# KiCad board output.Panel_R0.5.1_300x300_2layer_step1_Modified.kicad_pcb (continued)
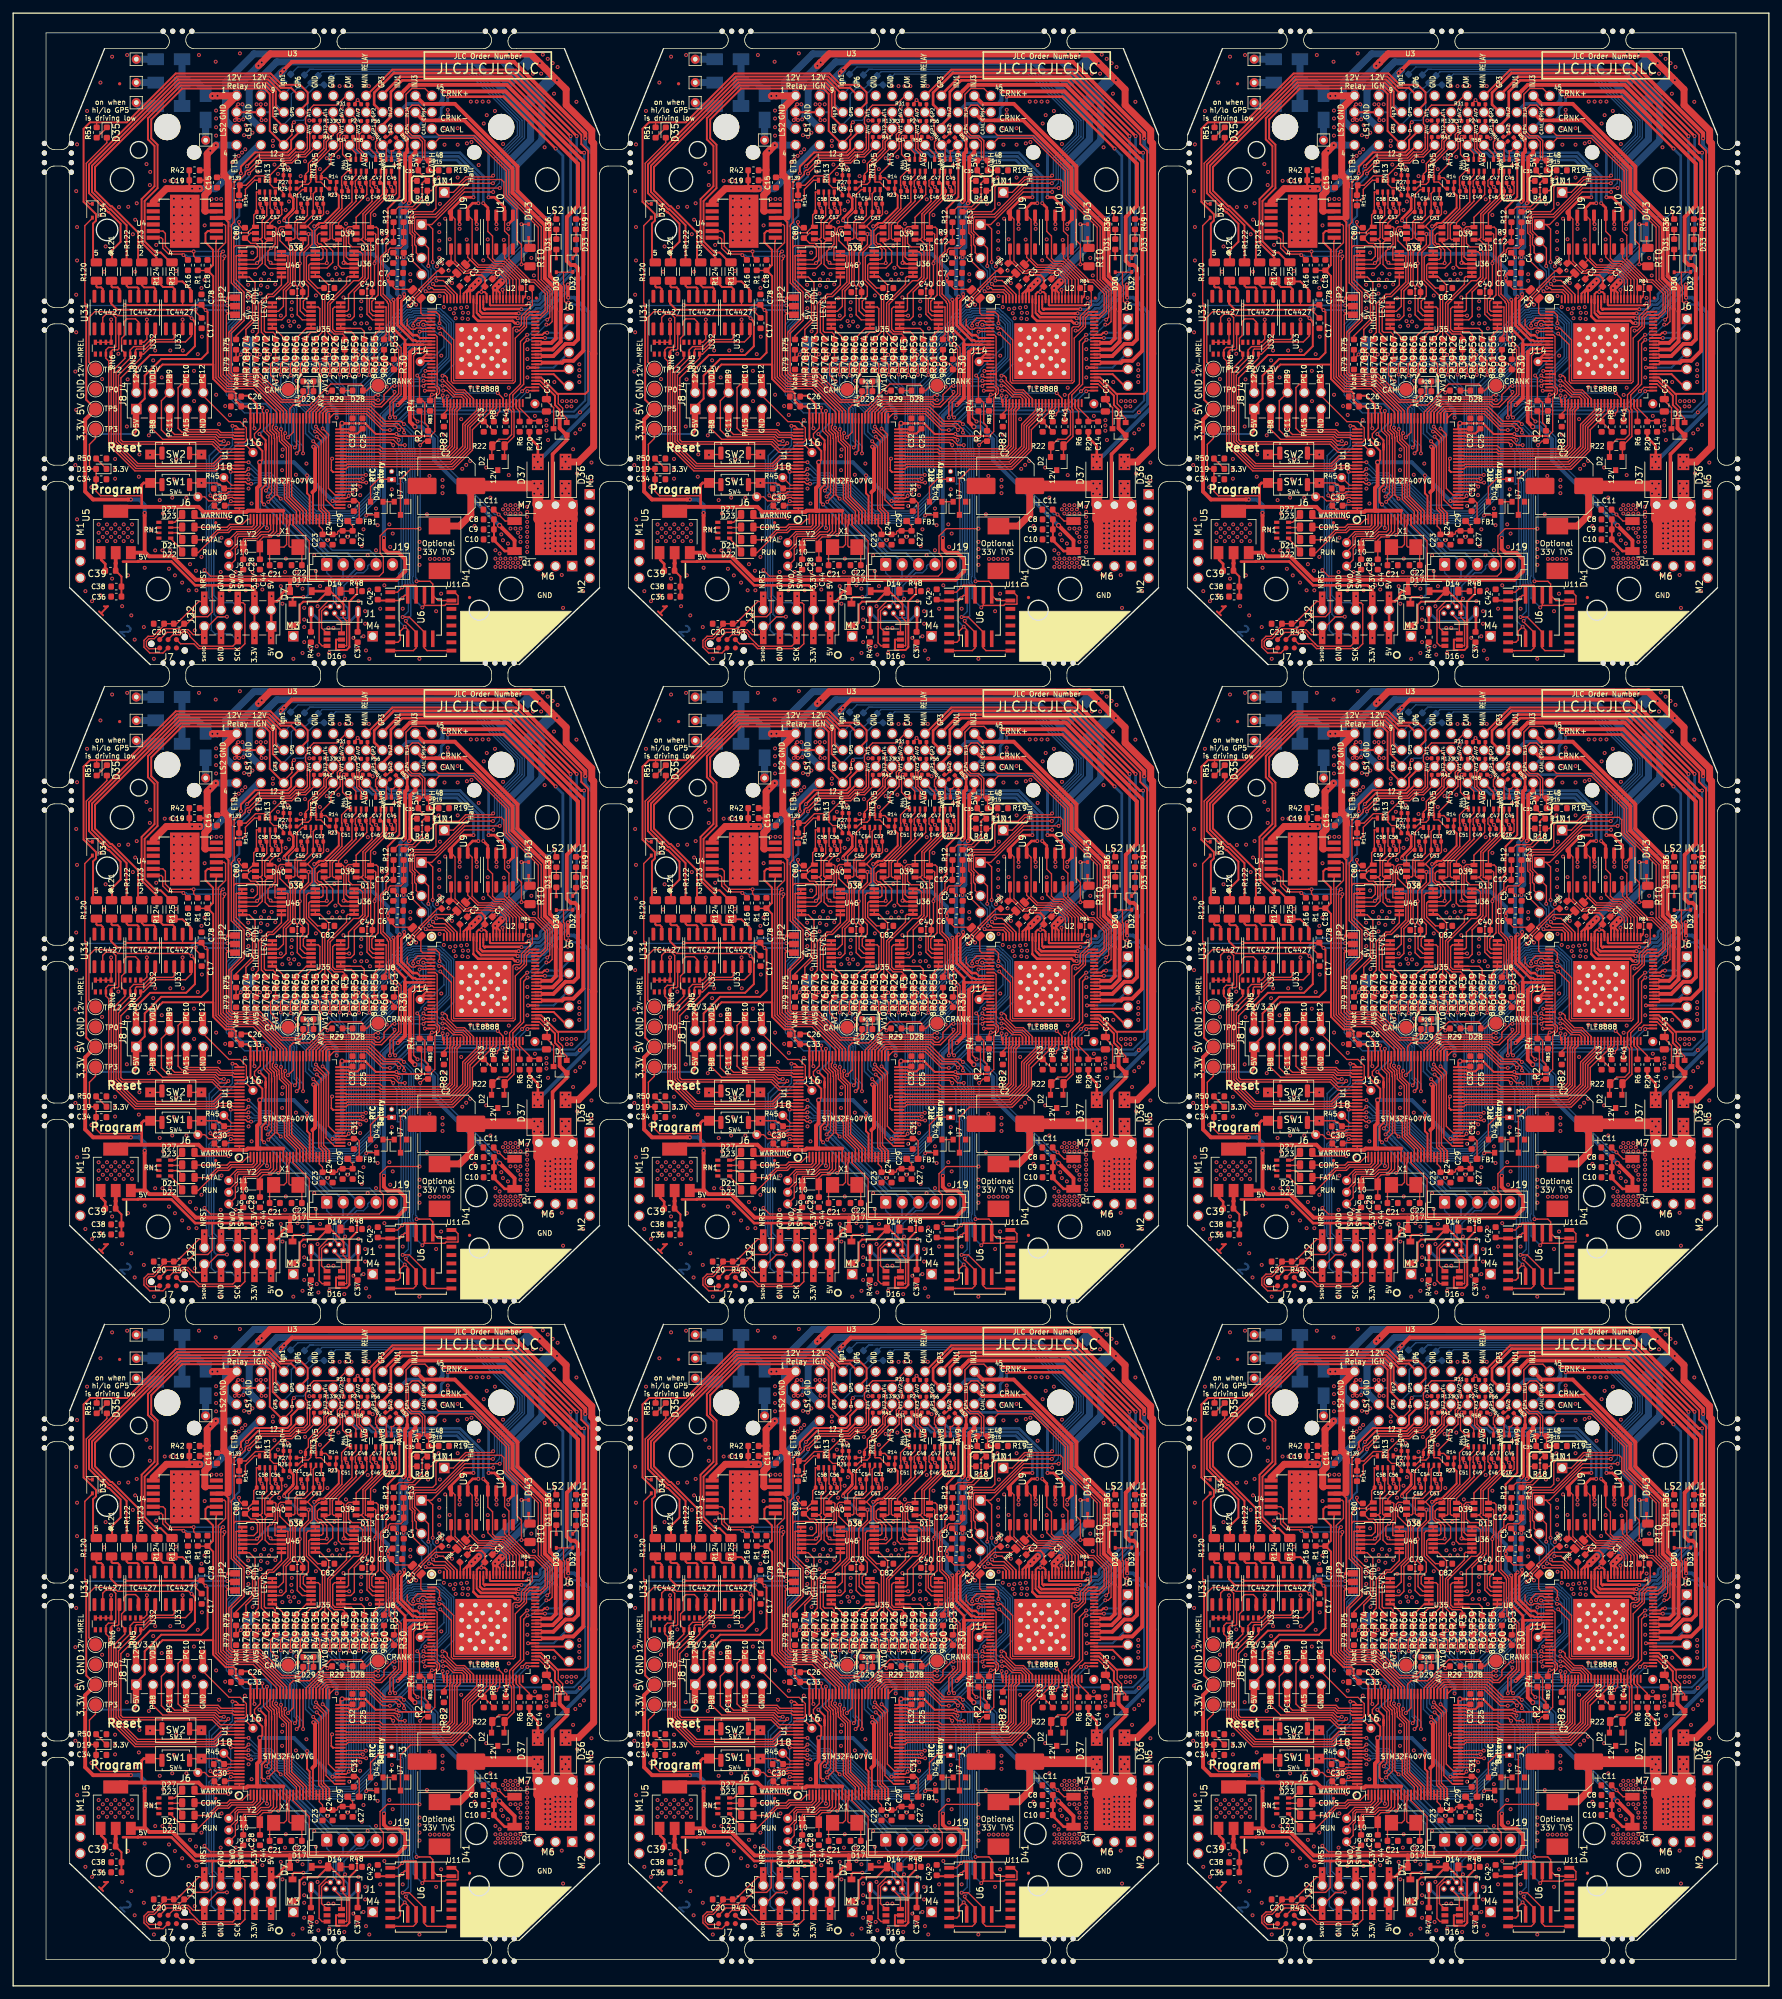
[diagram p0: board, top side]
## Routing (per net, layer and track width the routed paths; a pad name or vN(x,y) marks a point on that pad's centre or on a via; arc(x,y) is an arc through that point) (continued)
GND: length 977.9
  Top w0.203: C30#2.1 117.61,225.1 117.72,225.22 U1#2.99 ; RN6#2.4 RN6#2.3 RN6#2.2 RN6#2.1 99.9,249.95 U31#2.3 v1(99.9,253.4) ; U46#2.11 124.38,261.82 v1(124.15,262.05) ; U33#2.3 v1(110.77,253.4) ; v1(147.61,242.58) 147.63,242.6 U2#2.25 ; v1(105.82,232.82) 105.87,232.88 107.63,232.88 ; v1(132.8,242.3) 133.1,242.6 R29#2.2 ; C45#2.2 142.7,273.33 v1(142.47,273.57) 142.11,273.92 C16#2.2 ; C80#2.2 119.77,267.37 119.35,267.78 v1(119.35,268.23) ; R37#2.2 135.25,283.92 135.23,283.94 135.23,284.13 v1(135,284.36) ; R131#2.2 v1(130.05,283.68) ; v1(150.32,241.87) 150.32,240.88 U2#2.26 ; 144.93,253.47 144.93,252.57 145.57,251.93 146.11,251.93 146.3,252.12 147.02,252.12 147.09,252.06 147.93,252.06 147.97,252.1 U2#2.6 ; RN6#3.4 RN6#3.3 RN6#3.2 RN6#3.1 184.9,249.95 U31#3.3 v1(184.9,253.4) ; U46#3.11 209.38,261.82 v1(209.15,262.05) ; C30#3.1 202.61,225.1 202.72,225.22 U1#3.99 ; 192.63,232.88 190.87,232.88 v1(190.82,232.82) ; C45#3.2 227.7,273.33 v1(227.47,273.57) 227.11,273.92 C16#3.2 ; C80#3.2 204.77,267.37 204.35,267.78 v1(204.35,268.23) ; v1(232.61,242.58) 232.63,242.6 U2#3.25 ; R29#3.2 218.1,242.6 v1(217.8,242.3) ; U33#3.3 v1(195.77,253.4) ; R131#3.2 v1(215.05,283.68) ; R37#3.2 220.25,283.92 220.23,283.94 220.23,284.13 v1(220,284.36) ; v1(235.32,241.87) 235.32,240.88 U2#3.26 ; U2#3.6 232.98,252.1 232.93,252.06 232.09,252.06 232.02,252.12 231.3,252.12 231.11,251.93 230.57,251.93 229.93,252.57 229.93,253.47 ; R37#5.2 220.25,186.92 220.23,186.94 220.23,187.13 v1(220,187.36) ; R131#5.2 v1(215.05,186.68) ; C16#5.2 227.11,176.92 v1(227.47,176.57) 227.7,176.34 C45#5.2 ; v1(235.32,144.87) 235.32,143.88 U2#5.26 ; v1(204.35,171.23) 204.35,170.78 204.77,170.37 C80#5.2 ; RN6#4.4 RN6#4.3 RN6#4.2 RN6#4.1 184.9,152.95 U31#5.3 v1(184.9,156.4) ; U46#5.11 209.38,164.82 v1(209.15,165.05) ; 192.63,135.88 190.87,135.88 v1(190.82,135.82) ; C30#5.1 202.61,128.1 202.72,128.22 U1#5.99 ; R29#5.2 218.1,145.6 v1(217.8,145.3) ; U2#5.25 232.63,145.6 v1(232.61,145.58) ; U33#4.3 v1(195.77,156.4) ; C30#6.1 32.61,128.1 32.72,128.22 U1#4.99 ; RN6#6.4 RN6#6.3 RN6#6.2 RN6#6.1 14.9,152.95 U31#4.3 v1(14.9,156.4) ; U46#6.11 39.38,164.82 v1(39.15,165.05) ; U33#6.3 v1(25.77,156.4) ; v1(62.61,145.58) 62.63,145.6 U2#4.25 ; v1(20.82,135.82) 20.87,135.88 22.63,135.88 ; v1(47.8,145.3) 48.1,145.6 R29#4.2 ; C45#4.2 57.7,176.34 v1(57.47,176.57) 57.11,176.92 C16#4.2 ; C80#6.2 34.77,170.37 34.36,170.78 v1(34.36,171.23) ; R37#4.2 50.25,186.92 50.23,186.94 50.23,187.13 v1(50,187.36) ; R131#4.2 v1(45.05,186.68) ; v1(65.32,144.87) 65.32,143.88 U2#4.26 ; 59.93,156.47 59.93,155.57 60.57,154.93 61.11,154.93 61.3,155.12 62.02,155.12 62.09,155.06 62.93,155.06 62.97,155.1 U2#4.6 ; RN6#5.4 RN6#5.3 RN6#5.2 RN6#5.1 99.9,152.95 U31#6.3 v1(99.9,156.4) ; U46#4.11 124.38,164.82 v1(124.15,165.05) ; C30#4.1 117.61,128.1 117.72,128.22 U1#6.99 ; 107.63,135.88 105.87,135.88 v1(105.82,135.82) ; C45#6.2 142.7,176.34 v1(142.47,176.57) 142.11,176.92 C16#6.2 ; C80#4.2 119.77,170.37 119.35,170.78 v1(119.35,171.23) ; v1(147.61,145.58) 147.63,145.6 U2#6.25 ; R29#6.2 133.1,145.6 v1(132.8,145.3) ; U33#5.3 v1(110.77,156.4) ; R131#6.2 v1(130.05,186.68) ; R37#6.2 135.25,186.92 135.23,186.94 135.23,187.13 v1(135,187.36) ; v1(150.32,144.87) 150.32,143.88 U2#6.26 ; U2#6.6 147.97,155.1 147.93,155.06 147.09,155.06 147.02,155.12 146.3,155.12 146.11,154.93 145.57,154.93 144.93,155.57 144.93,156.47 ; U2#5.6 232.98,155.1 232.93,155.06 232.09,155.06 232.02,155.12 231.3,155.12 231.11,154.93 230.57,154.93 229.93,155.57 229.93,156.47 ; C16#7.2 227.11,79.92 v1(227.47,79.57) 227.7,79.34 C45#8.2 ; v1(220,90.36) 220.23,90.13 220.23,89.94 220.25,89.92 R37#8.2 ; v1(235.32,47.87) 235.32,46.88 U2#8.26 ; R131#8.2 v1(215.05,89.68) ; v1(204.35,74.23) 204.35,73.78 204.77,73.37 C80#7.2 ; RN6#8.4 RN6#8.3 RN6#8.2 RN6#8.1 14.9,55.95 U31#9.3 v1(14.9,59.4) ; C30#8.1 32.61,31.1 32.72,31.22 U1#7.99 ; v1(47.8,48.3) 48.1,48.6 R29#7.2 ; C45#7.2 57.7,79.34 v1(57.47,79.57) 57.11,79.92 C16#8.2 ; v1(62.61,48.58) 62.63,48.6 U2#7.25 ; v1(39.15,68.05) 39.38,67.82 U46#9.11 ; C80#8.2 34.77,73.37 34.36,73.78 v1(34.36,74.23) ; U33#9.3 v1(25.77,59.4) ; v1(20.82,38.82) 20.87,38.88 22.63,38.88 ; R131#7.2 v1(45.05,89.68) ; R37#7.2 50.25,89.92 50.23,89.94 50.23,90.13 v1(50,90.36) ; U2#7.26 65.32,46.88 v1(65.32,47.87) ; U2#7.6 62.97,58.1 62.93,58.06 62.09,58.06 62.02,58.12 61.3,58.12 61.11,57.93 60.57,57.93 59.93,58.57 59.93,59.47 ; RN6#9.4 RN6#9.3 RN6#9.2 RN6#9.1 99.9,55.95 U31#8.3 v1(99.9,59.4) ; U46#8.11 124.38,67.82 v1(124.15,68.05) ; 107.63,38.88 105.87,38.88 v1(105.82,38.82) ; v1(147.61,48.58) 147.63,48.6 U2#9.25 ; C30#9.1 117.61,31.1 117.72,31.22 U1#9.99 ; C45#9.2 142.7,79.34 v1(142.47,79.57) 142.11,79.92 C16#9.2 ; C80#9.2 119.77,73.37 119.35,73.78 v1(119.35,74.23) ; U33#8.3 v1(110.77,59.4) ; R29#9.2 133.1,48.6 v1(132.8,48.3) ; R131#9.2 v1(130.05,89.68) ; v1(150.32,47.87) 150.32,46.88 U2#9.26 ; U2#9.6 147.97,58.1 147.93,58.06 147.09,58.06 147.02,58.12 146.3,58.12 146.11,57.93 145.57,57.93 144.93,58.57 144.93,59.47 ; R37#9.2 135.25,89.92 135.23,89.94 135.23,90.13 v1(135,90.36) ; U2#8.6 232.98,58.1 232.93,58.06 232.09,58.06 232.02,58.12 231.3,58.12 231.11,57.93 230.57,57.93 229.93,58.57 229.93,59.47 ; U46#7.11 209.38,67.82 v1(209.15,68.05) ; RN6#7.4 RN6#7.3 RN6#7.2 RN6#7.1 184.9,55.95 U31#7.3 v1(184.9,59.4) ; R29#8.2 218.1,48.6 v1(217.8,48.3) ; 192.63,38.88 190.87,38.88 v1(190.82,38.82) ; C30#7.1 202.61,31.1 202.72,31.22 U1#8.99 ; v1(232.61,48.58) 232.63,48.6 U2#8.25 ; U33#7.3 v1(195.77,59.4) ; C30.1 32.61,225.1 32.72,225.22 U1.99 ; v1(47.8,242.3) 48.1,242.6 R29.2 ; U2.6 62.97,252.1 62.93,252.06 62.09,252.06 62.02,252.12 61.3,252.12 61.11,251.93 60.57,251.93 59.93,252.57 59.93,253.47 ; v1(14.9,253.4) U31.3 14.9,249.95 RN6.1 RN6.2 RN6.3 RN6.4 ; v1(39.15,262.05) 39.38,261.82 U46.11 ; C80.2 34.77,267.37 34.36,267.78 v1(34.36,268.23) ; R131.2 v1(45.05,283.68) ; U2.26 65.32,240.88 v1(65.32,241.87) ; C45.2 57.7,273.33 v1(57.47,273.57) 57.11,273.92 C16.2 ; 22.63,232.88 20.87,232.88 v1(20.82,232.82) ; R37.2 50.25,283.92 50.23,283.94 50.23,284.13 v1(50,284.36) ; U33.3 v1(25.77,253.4) ; U2.25 62.63,242.6 v1(62.61,242.58)
  Top w0.216: v1(121.7,236.86) 121.59,236.98 U1#2.74 ; 124.47,254.06 124.31,253.9 ; 152.95,248.6 U2#2.101 ; U8#2.11 135.95,254.01 136.04,254.1 ; D40#2.2 124.43,266.56 124.84,266.14 124.84,264.89 v1(124.25,264.3) 123.75,263.8 123.75,262.45 v1(124.15,262.05) ; D13#2.2 136.41,266.5 136.21,266.7 v1(136.21,266.95) ; v1(133.51,232.25) 133.39,232.13 NT2#2.1 ; v1(135.24,262.02) 135.39,261.88 U36#2.11 135.8,261.88 135.28,262.41 135.28,266 134.82,266.45 134.8,266.45 ; RN5#2.1 104.87,249.95 105.33,250.42 U32#2.3 v1(105.33,253.4) ; 125.83,266.96 126.21,266.58 D38#2.2 ; C55#2.2 129.11,270.16 v1(128.88,270.39) 128.78,270.5 C54#2.2 ; 125.3,269.76 125.3,270.03 v1(124.94,270.39) 124.84,270.5 C56#2.2 ; C53#2.2 131.65,270.19 v1(131.45,270.39) 131.19,270.65 C52#2.2 ; R56#2.2 137.92,286.24 v1(137.39,286.77) 136.99,286.37 R31#2.2 ; C49#2.2 138.13,273.33 v1(137.9,273.57) 137.67,273.8 C48#2.2 ; R54#2.2 141.92,281.2 R52#2.2 142.51,282.88 v1(142.42,282.96) ; 135.63,281.19 135.3,281.19 v1(135.29,281.2) ; v1(139.68,280.93) 139.42,281.19 R58#2.2 ; 135.51,274.2 135.51,273.8 v1(135.74,273.57) 135.97,273.33 135.97,272.93 ; C59#2.2 123.01,270.16 v1(122.78,270.39) 122.55,270.62 C58#2.2 ; C46#2.2 139.82,273.92 v1(140.18,273.57) 140.54,273.21 140.54,272.93 ; U2#2.19 147.69,245.6 v1(147.69,245.59) ; U1#2.10 125.59,220.87 125.56,220.87 v1(125.32,220.63) ; R41#2.2 132.02,281.16 v1(132.3,281.44) ; 164.23,254.6 U2#2.75 163.5,254.6 162.71,253.8 162.71,252.44 161.99,251.72 v1(161.57,251.72) ; v1(218.51,232.25) 218.39,232.13 NT2#3.1 ; U8#3.11 220.95,254.01 221.04,254.1 ; v1(206.7,236.86) 206.59,236.98 U1#3.74 ; v1(220.24,262.02) 220.39,261.88 U36#3.11 220.8,261.88 220.28,262.41 220.28,266 219.82,266.45 219.8,266.45 ; D40#3.2 209.43,266.56 209.84,266.14 209.84,264.89 v1(209.25,264.3) 208.75,263.8 208.75,262.45 v1(209.15,262.05) ; D13#3.2 221.41,266.5 221.21,266.7 v1(221.21,266.95) ; 209.47,254.06 209.31,253.9 ; 237.95,248.6 U2#3.101 ; C55#3.2 214.11,270.16 v1(213.88,270.39) 213.78,270.5 C54#3.2 ; 210.3,269.76 210.3,270.03 v1(209.94,270.39) 209.84,270.5 C56#3.2 ; C53#3.2 216.65,270.19 v1(216.45,270.39) 216.19,270.65 C52#3.2 ; RN5#3.1 189.87,249.95 190.33,250.42 U32#3.3 v1(190.33,253.4) ; 210.83,266.96 211.21,266.58 D38#3.2 ; 220.51,274.2 220.51,273.8 v1(220.74,273.57) 220.97,273.33 220.97,272.93 ; 220.63,281.19 220.3,281.19 v1(220.29,281.2) ; C47#3.2 225.54,273.21 v1(225.18,273.57) 224.82,273.92 C46#3.2 ; U2#3.19 232.69,245.6 v1(232.69,245.59) ; C49#3.2 223.13,273.33 v1(222.9,273.57) 222.67,273.8 C48#3.2 ; R58#3.2 224.42,281.19 v1(224.68,280.93) ; v1(227.42,282.96) 227.51,282.88 R52#3.2 226.92,281.2 R54#3.2 ; U1#3.10 210.59,220.87 210.56,220.87 v1(210.32,220.63) ; R31#3.2 221.99,286.37 v1(222.39,286.77) 222.92,286.24 R56#3.2 ; C59#3.2 208.01,270.16 v1(207.78,270.39) 207.55,270.62 C58#3.2 ; v1(246.57,251.72) 246.99,251.72 247.71,252.44 247.71,253.8 248.5,254.6 U2#3.75 249.23,254.6 ; v1(217.3,281.44) 217.02,281.16 R41#3.2 ; C58#5.2 207.55,173.62 v1(207.78,173.39) 208.01,173.16 C59#5.2 ; 249.23,157.6 U2#5.75 248.5,157.6 247.71,156.8 247.71,155.44 246.99,154.72 v1(246.57,154.72) ; 220.97,175.93 220.97,176.34 v1(220.74,176.57) 220.51,176.8 220.51,177.2 ; C56#5.2 209.84,173.5 v1(209.94,173.39) 210.3,173.03 210.3,172.76 ; R31#5.2 221.99,189.37 v1(222.39,189.77) 222.92,189.24 R56#5.2 ; C48#5.2 222.67,176.8 v1(222.9,176.57) 223.13,176.34 C49#5.2 ; C47#5.2 225.54,176.21 v1(225.18,176.57) 224.82,176.92 C46#5.2 ; v1(227.42,185.96) 227.51,185.88 R52#5.2 226.92,184.2 R54#5.2 ; U1#5.10 210.59,123.87 210.56,123.87 v1(210.32,123.63) ; U2#5.19 232.69,148.6 v1(232.69,148.59) ; v1(224.68,183.93) 224.42,184.19 R58#5.2 ; v1(220.29,184.2) 220.3,184.19 220.63,184.19 ; v1(218.51,135.25) 218.39,135.13 NT2#5.1 ; U8#4.11 220.95,157.01 221.04,157.1 ; v1(206.7,139.86) 206.59,139.98 U1#5.74 ; v1(220.24,165.02) 220.39,164.88 U36#5.11 220.8,164.88 220.28,165.41 220.28,169 219.82,169.45 219.8,169.45 ; D13#5.2 221.41,169.5 221.21,169.7 v1(221.21,169.95) ; D40#5.2 209.43,169.56 209.84,169.14 209.84,167.89 v1(209.25,167.3) 208.75,166.8 208.75,165.45 v1(209.15,165.05) ; 209.47,157.06 209.31,156.9 ; C54#5.2 213.78,173.5 v1(213.88,173.39) 214.11,173.16 C55#5.2 ; 237.95,151.6 U2#5.101 ; C53#5.2 216.65,173.19 v1(216.45,173.39) 216.19,173.65 C52#5.2 ; D38#5.2 211.21,169.58 210.83,169.96 ; RN5#4.1 189.87,152.95 190.33,153.42 U32#4.3 v1(190.33,156.4) ; v1(36.7,139.86) 36.59,139.98 U1#4.74 ; 39.47,157.06 39.31,156.9 ; 67.95,151.6 U2#4.101 ; U8#6.11 50.95,157.01 51.04,157.1 ; D40#4.2 39.43,169.56 39.84,169.14 39.84,167.89 v1(39.25,167.3) 38.75,166.8 38.75,165.45 v1(39.15,165.05) ; D13#4.2 51.41,169.5 51.21,169.7 v1(51.21,169.95) ; v1(48.51,135.25) 48.39,135.13 NT2#4.1 ; v1(50.24,165.02) 50.39,164.88 U36#6.11 50.8,164.88 50.28,165.41 50.28,169 49.82,169.45 49.8,169.45 ; RN5#6.1 19.87,152.95 20.33,153.42 U32#6.3 v1(20.33,156.4) ; 40.83,169.96 41.21,169.58 D38#4.2 ; C55#4.2 44.11,173.16 v1(43.88,173.39) 43.78,173.5 C54#4.2 ; C57#4.2 40.3,173.03 v1(39.94,173.39) 39.84,173.5 C56#4.2 ; C53#4.2 46.65,173.19 v1(46.45,173.39) 46.19,173.65 C52#4.2 ; R56#4.2 52.92,189.24 v1(52.39,189.77) 51.98,189.37 R31#4.2 ; C49#4.2 53.13,176.34 v1(52.9,176.57) 52.67,176.8 C48#4.2 ; R54#4.2 56.92,184.2 R52#4.2 57.51,185.88 v1(57.42,185.96) ; 50.63,184.19 50.3,184.19 v1(50.29,184.2) ; v1(54.67,183.93) 54.42,184.19 R58#4.2 ; C50#4.2 50.51,176.8 v1(50.74,176.57) 50.97,176.34 C51#4.2 ; C59#4.2 38.02,173.16 v1(37.78,173.39) 37.55,173.62 C58#4.2 ; C46#4.2 54.83,176.92 v1(55.18,176.57) 55.54,176.21 C47#4.2 ; U2#4.19 62.69,148.6 v1(62.69,148.59) ; U1#4.10 40.59,123.87 40.56,123.87 v1(40.32,123.63) ; R41#4.2 47.02,184.16 v1(47.3,184.44) ; 79.23,157.6 U2#4.75 78.5,157.6 77.71,156.8 77.71,155.44 76.99,154.72 v1(76.57,154.72) ; v1(133.51,135.25) 133.39,135.13 NT2#6.1 ; U8#5.11 135.95,157.01 136.04,157.1 ; v1(121.7,139.86) 121.59,139.98 U1#6.74 ; v1(135.24,165.02) 135.39,164.88 U36#4.11 135.8,164.88 135.28,165.41 135.28,169 134.82,169.45 134.8,169.45 ; D40#6.2 124.43,169.56 124.84,169.14 124.84,167.89 v1(124.25,167.3) 123.75,166.8 123.75,165.45 v1(124.15,165.05) ; D13#6.2 136.41,169.5 136.21,169.7 v1(136.21,169.95) ; 124.47,157.06 124.31,156.9 ; 152.95,151.6 U2#6.101 ; C55#6.2 129.11,173.16 v1(128.88,173.39) 128.78,173.5 C54#6.2 ; 125.3,172.76 125.3,173.03 v1(124.94,173.39) 124.84,173.5 C56#6.2 ; C53#6.2 131.65,173.19 v1(131.45,173.39) 131.19,173.65 C52#6.2 ; RN5#5.1 104.87,152.95 105.33,153.42 U32#5.3 v1(105.33,156.4) ; 125.83,169.96 126.21,169.58 D38#6.2 ; 135.51,177.2 135.51,176.8 v1(135.74,176.57) 135.97,176.34 135.97,175.93 ; 135.63,184.19 135.3,184.19 v1(135.29,184.2) ; 140.54,175.93 140.54,176.21 v1(140.18,176.57) 139.82,176.92 C46#6.2 ; U2#6.19 147.69,148.6 v1(147.69,148.59) ; C49#6.2 138.13,176.34 v1(137.9,176.57) 137.67,176.8 C48#6.2 ; R58#6.2 139.42,184.19 v1(139.68,183.93) ; v1(142.42,185.96) 142.51,185.88 R52#6.2 141.92,184.2 R54#6.2 ; U1#6.10 125.59,123.87 125.56,123.87 v1(125.32,123.63) ; R31#6.2 136.99,189.37 v1(137.39,189.77) 137.92,189.24 R56#6.2 ; C59#6.2 123.01,173.16 v1(122.78,173.39) 122.55,173.62 C58#6.2 ; v1(161.57,154.72) 161.99,154.72 162.71,155.44 162.71,156.8 163.5,157.6 U2#6.75 164.23,157.6 ; v1(132.3,184.44) 132.02,184.16 R41#6.2 ; R41#5.2 217.02,184.16 v1(217.3,184.44) ; C48#7.2 222.67,79.8 v1(222.9,79.57) 223.13,79.34 C49#8.2 ; C59#7.2 208.01,76.16 v1(207.78,76.39) 207.55,76.62 C58#7.2 ; v1(246.57,57.72) 246.99,57.72 247.71,58.44 247.71,59.8 248.5,60.6 U2#8.75 249.23,60.6 ; v1(227.42,88.96) 227.51,88.88 R52#8.2 226.92,87.2 R54#8.2 ; C56#7.2 209.84,76.5 v1(209.94,76.39) 210.3,76.03 210.3,75.76 ; U1#8.10 210.59,26.87 210.56,26.87 v1(210.32,26.63) ; v1(224.68,86.93) 224.42,87.19 R58#8.2 ; U2#8.19 232.69,51.6 v1(232.69,51.59) ; R56#8.2 222.92,92.24 v1(222.39,92.77) 221.99,92.37 R31#8.2 ; C47#7.2 225.54,79.21 v1(225.18,79.57) 224.82,79.92 C46#8.2 ; 220.97,78.93 220.97,79.34 v1(220.74,79.57) 220.51,79.8 220.51,80.2 ; v1(220.29,87.2) 220.3,87.19 220.63,87.19 ; D13#7.2 51.41,72.5 51.21,72.7 v1(51.21,72.95) ; v1(48.51,38.25) 48.39,38.13 NT2#9.1 ; 39.47,60.06 39.31,59.9 ; 67.95,54.6 U2#7.101 ; 51.04,60.1 50.95,60.01 U8#9.11 ; v1(50.24,68.02) 50.39,67.88 U36#9.11 50.8,67.88 50.28,68.41 50.28,72 49.82,72.45 49.8,72.45 ; U1#7.74 36.59,42.98 v1(36.7,42.86) ; D40#7.2 39.43,72.56 39.84,72.14 39.84,70.89 v1(39.25,70.3) 38.75,69.8 38.75,68.45 v1(39.15,68.05) ; C57#8.2 40.3,76.03 v1(39.94,76.39) 39.84,76.5 C56#8.2 ; C53#7.2 46.65,76.19 v1(46.45,76.39) 46.19,76.65 C52#8.2 ; D38#9.2 41.21,72.58 40.83,72.96 ; v1(20.33,59.4) U32#9.3 20.33,56.42 19.87,55.95 RN5#9.1 ; C55#7.2 44.11,76.16 v1(43.88,76.39) 43.78,76.5 C54#8.2 ; U2#7.19 62.69,51.6 v1(62.69,51.59) ; C58#8.2 37.55,76.62 v1(37.78,76.39) 38.02,76.16 C59#8.2 ; C51#8.2 50.97,79.34 v1(50.74,79.57) 50.51,79.8 C50#7.2 ; C49#7.2 53.13,79.34 v1(52.9,79.57) 52.67,79.8 C48#8.2 ; U1#7.10 40.59,26.87 40.56,26.87 v1(40.32,26.63) ; R31#7.2 51.98,92.37 v1(52.39,92.77) 52.92,92.24 R56#7.2 ; v1(57.42,88.96) 57.51,88.88 R52#7.2 56.92,87.2 R54#7.2 ; v1(54.67,86.93) 54.42,87.19 R58#7.2 ; v1(50.29,87.2) 50.3,87.19 50.63,87.19 ; C46#7.2 54.83,79.92 v1(55.18,79.57) 55.54,79.21 C47#8.2 ; R41#7.2 47.02,87.16 v1(47.3,87.44) ; 79.23,60.6 U2#7.75 78.5,60.6 77.71,59.8 77.71,58.44 76.99,57.72 v1(76.57,57.72) ; v1(121.7,42.86) 121.59,42.98 U1#9.74 ; v1(135.24,68.02) 135.39,67.88 U36#8.11 135.8,67.88 135.28,68.41 135.28,72 134.82,72.45 134.8,72.45 ; v1(133.51,38.25) 133.39,38.13 NT2#8.1 ; U8#8.11 135.95,60.01 136.04,60.1 ; D40#9.2 124.43,72.56 124.84,72.14 124.84,70.89 v1(124.25,70.3) 123.75,69.8 123.75,68.45 v1(124.15,68.05) ; 124.47,60.06 124.31,59.9 ; C53#9.2 131.65,76.19 v1(131.45,76.39) 131.19,76.65 C52#9.2 ; 152.95,54.6 U2#9.101 ; D13#9.2 136.41,72.5 136.21,72.7 v1(136.21,72.95) ; C55#9.2 129.11,76.16 v1(128.88,76.39) 128.78,76.5 C54#9.2 ; 125.3,75.76 125.3,76.03 v1(124.94,76.39) 124.84,76.5 C56#9.2 ; v1(105.33,59.4) U32#8.3 105.33,56.42 104.87,55.95 RN5#8.1 ; 140.54,78.93 140.54,79.21 v1(140.18,79.57) 139.82,79.92 C46#9.2 ; U2#9.19 147.69,51.6 v1(147.69,51.59) ; v1(135.29,87.2) 135.3,87.19 135.63,87.19 ; C48#9.2 137.67,79.8 v1(137.9,79.57) 138.13,79.34 C49#9.2 ; R58#9.2 139.42,87.19 v1(139.68,86.93) ; 125.83,72.96 126.21,72.58 D38#8.2 ; 135.51,80.2 135.51,79.8 v1(135.74,79.57) 135.97,79.34 135.97,78.93 ; v1(142.42,88.96) 142.51,88.88 R52#9.2 141.92,87.2 R54#9.2 ; v1(161.57,57.72) 161.99,57.72 162.71,58.44 162.71,59.8 163.5,60.6 U2#9.75 164.23,60.6 ; v1(132.3,87.44) 132.02,87.16 R41#9.2 ; U1#9.10 125.59,26.87 125.56,26.87 v1(125.32,26.63) ; C59#9.2 123.01,76.16 v1(122.78,76.39) 122.55,76.62 C58#9.2 ; R31#9.2 136.99,92.37 v1(137.39,92.77) 137.92,92.24 R56#9.2 ; v1(217.3,87.44) 217.02,87.16 R41#8.2 ; C52#7.2 216.19,76.65 v1(216.45,76.39) 216.65,76.19 C53#8.2 ; U1#8.74 206.59,42.98 v1(206.7,42.86) ; NT2#7.1 218.39,38.13 v1(218.51,38.25) ; 237.95,54.6 U2#8.101 ; 221.04,60.1 220.95,60.01 U8#7.11 ; v1(220.24,68.02) 220.39,67.88 U36#7.11 220.8,67.88 220.28,68.41 220.28,72 219.82,72.45 219.8,72.45 ; D40#8.2 209.43,72.56 209.84,72.14 209.84,70.89 v1(209.25,70.3) 208.75,69.8 208.75,68.45 v1(209.15,68.05) ; C54#7.2 213.78,76.5 v1(213.88,76.39) 214.11,76.16 C55#8.2 ; 209.47,60.06 209.31,59.9 ; D13#8.2 221.41,72.5 221.21,72.7 v1(221.21,72.95) ; RN5#7.1 189.87,55.95 190.33,56.42 U32#7.3 v1(190.33,59.4) ; 210.83,72.96 211.21,72.58 D38#7.2 ; C55.2 44.11,270.16 v1(43.88,270.39) 43.78,270.5 C54.2 ; v1(57.42,282.96) 57.51,282.88 R52.2 56.92,281.2 R54.2 ; v1(20.33,253.4) U32.3 20.33,250.42 19.87,249.95 RN5.1 ; 51.04,254.1 50.95,254.01 U8.11 ; U2.19 62.69,245.6 v1(62.69,245.59) ; NT2.1 48.39,232.13 v1(48.51,232.25) ; 49.8,266.45 49.82,266.45 50.28,266 50.28,262.41 50.8,261.88 U36.11 50.39,261.88 v1(50.24,262.02) ; R58.2 54.42,281.19 v1(54.67,280.93) ; v1(76.57,251.72) 76.99,251.72 77.71,252.44 77.71,253.8 78.5,254.6 U2.75 79.23,254.6 ; D13.2 51.41,266.5 51.21,266.7 v1(51.21,266.95) ; C59.2 38.02,270.16 v1(37.78,270.39) 37.55,270.62 C58.2 ; C46.2 54.83,273.92 v1(55.18,273.57) 55.54,273.21 C47.2 ; U1.74 36.59,236.98 v1(36.7,236.86) ; D40.2 39.43,266.56 39.84,266.14 39.84,264.89 v1(39.25,264.3) 38.75,263.8 38.75,262.45 v1(39.15,262.05) ; 67.95,248.6 U2.101 ; R41.2 47.02,281.16 v1(47.3,281.44) ; C51.2 50.97,273.33 v1(50.74,273.57) 50.51,273.8 C50.2 ; 50.63,281.19 50.3,281.19 v1(50.29,281.2) ; C57.2 40.3,270.03 v1(39.94,270.39) 39.84,270.5 C56.2 ; C49.2 53.13,273.33 v1(52.9,273.57) 52.67,273.8 C48.2 ; U1.10 40.59,220.87 40.56,220.87 v1(40.32,220.63) ; C52.2 46.19,270.65 v1(46.45,270.39) 46.65,270.19 C53.2 ; 39.47,254.06 39.31,253.9 ; D38.2 41.21,266.58 40.83,266.96 ; R31.2 51.98,286.37 v1(52.39,286.77) 52.92,286.24 R56.2
  Top w0.305: 117.17,224.95 C30#2.1 ; 114.51,262.29 114.53,262.27 ; v1(119.35,283.73) 118.97,284.11 U3#2.2 ; U3#2.6 U3#2.2 ; U3#2.6 122.67,283.84 v1(122.78,283.73) ; U3#2.6 122.67,286.12 v1(122.66,286.14) ; U3#2.2 118.97,285.88 v1(119.23,286.14) ; 202.17,224.95 C30#3.1 ; v1(204.35,283.73) 203.97,284.11 U3#3.2 ; 199.51,262.29 199.53,262.27 ; U3#3.2 U3#3.6 ; U3#3.2 203.97,285.88 v1(204.23,286.14) ; v1(207.66,286.14) 207.67,286.12 U3#3.6 ; U3#3.6 207.67,283.84 v1(207.78,283.73) ; U3#5.2 203.97,187.11 v1(204.35,186.73) ; U3#5.2 U3#5.6 ; U3#5.2 203.97,188.88 v1(204.23,189.14) ; U3#5.6 207.67,189.12 v1(207.66,189.14) ; U3#5.6 207.67,186.84 v1(207.78,186.73) ; 202.17,127.95 C30#5.1 ; 199.51,165.29 199.53,165.27 ; 32.17,127.95 C30#6.1 ; 29.51,165.29 29.53,165.27 ; v1(34.36,186.73) 33.97,187.11 U3#4.2 ; U3#4.6 U3#4.2 ; U3#4.6 37.67,186.84 v1(37.78,186.73) ; U3#4.6 37.67,189.12 v1(37.66,189.14) ; U3#4.2 33.97,188.88 v1(34.23,189.14) ; 117.17,127.95 C30#4.1 ; v1(119.35,186.73) 118.97,187.11 U3#6.2 ; 114.51,165.29 114.53,165.27 ; U3#6.2 U3#6.6 ; U3#6.2 118.97,188.88 v1(119.23,189.14) ; v1(122.66,189.14) 122.67,189.12 U3#6.6 ; U3#6.6 122.67,186.84 v1(122.78,186.73) ; v1(204.23,92.14) 203.97,91.88 U3#7.2 ; U3#7.6 U3#7.2 ; U3#7.6 207.67,92.12 v1(207.66,92.14) ; U3#7.6 207.67,89.84 v1(207.78,89.73) ; U3#7.2 203.97,90.11 v1(204.35,89.73) ; 32.17,30.95 C30#8.1 ; 29.51,68.29 29.53,68.27 ; U3#8.6 U3#8.2 ; U3#8.6 37.67,92.12 v1(37.66,92.14) ; U3#8.6 37.67,89.84 v1(37.78,89.73) ; U3#8.2 33.97,91.88 v1(34.23,92.14) ; U3#8.2 33.97,90.11 v1(34.36,89.73) ; 117.17,30.95 C30#9.1 ; v1(119.35,89.73) 118.97,90.11 U3#9.2 ; v1(122.66,92.14) 122.67,92.12 U3#9.6 ; U3#9.2 U3#9.6 ; U3#9.2 118.97,91.88 v1(119.23,92.14) ; 114.51,68.29 114.53,68.27 ; U3#9.6 122.67,89.84 v1(122.78,89.73) ; 202.17,30.95 C30#7.1 ; 199.51,68.29 199.53,68.27 ; U3.2 33.97,285.88 v1(34.23,286.14) ; U3.2 33.97,284.11 v1(34.36,283.73) ; U3.2 U3.6 ; 29.51,262.29 29.53,262.27 ; v1(37.66,286.14) 37.67,286.12 U3.6 ; U3.6 37.67,283.84 v1(37.78,283.73) ; 32.17,224.95 C30.1
  Top w0.406: U5#2.1 98.4,217.85 98.4,216.85 99.01,216.24 C39#2.1 ; v1(152.9,267.9) 152.87,267.94 U9#2.7 ; U9#2.5 155.41,268 v1(155.5,267.9) ; v1(158.5,267.9) 158.47,267.94 U10#2.7 ; U10#2.5 161,268.61 v1(160.3,267.9) ; C1#2.2 158.22,259.92 v1(158.5,259.92) ; C39#3.1 184.01,216.24 183.4,216.85 183.4,217.85 U5#3.1 ; v1(243.5,267.9) 243.46,267.94 243.46,269.27 ; U10#3.5 246,268.61 v1(245.3,267.9) ; U9#3.7 237.87,267.94 v1(237.9,267.9) ; v1(240.5,267.9) 240.4,268 U9#3.5 ; C1#3.2 243.22,259.92 v1(243.5,259.92) ; U5#4.1 183.4,120.85 183.4,119.85 184.01,119.24 C39#4.1 ; 240.4,172.28 240.4,171 v1(240.5,170.9) ; v1(237.9,170.9) 237.87,170.94 237.87,172.28 ; v1(245.3,170.9) 246,171.6 246,172.28 ; 243.46,172.28 243.46,170.94 v1(243.5,170.9) ; C1#5.2 243.22,162.92 v1(243.5,162.92) ; U5#6.1 13.4,120.85 13.4,119.85 14.01,119.24 C39#6.1 ; v1(67.9,170.9) 67.86,170.94 67.86,172.28 ; 70.41,172.28 70.41,171 v1(70.5,170.9) ; v1(73.5,170.9) 73.47,170.94 73.47,172.28 ; 76,172.28 76,171.6 v1(75.3,170.9) ; C1#6.2 73.22,162.92 v1(73.5,162.92) ; C39#5.1 99.01,119.24 98.4,119.85 98.4,120.85 U5#5.1 ; v1(158.5,170.9) 158.47,170.94 158.47,172.28 ; 161,172.28 161,171.6 v1(160.3,170.9) ; 152.87,172.28 152.87,170.94 v1(152.9,170.9) ; v1(155.5,170.9) 155.41,171 155.41,172.28 ; C1#4.2 158.22,162.92 v1(158.5,162.92) ; C39#9.1 14.01,22.24 13.4,22.85 13.4,23.85 U5#9.1 ; U10#7.5 76,74.61 v1(75.3,73.9) ; U10#7.7 73.47,73.94 v1(73.5,73.9) ; U9#7.7 67.86,73.94 v1(67.9,73.9) ; U9#7.5 70.41,74 v1(70.5,73.9) ; C1#9.2 73.22,65.92 v1(73.5,65.92) ; C39#8.1 99.01,22.24 98.4,22.85 98.4,23.85 U5#8.1 ; v1(158.5,73.9) 158.47,73.94 U10#9.7 ; v1(155.5,73.9) 155.41,74 U9#9.5 ; C1#8.2 158.22,65.92 v1(158.5,65.92) ; v1(160.3,73.9) 161,74.61 U10#9.5 ; v1(152.9,73.9) 152.87,73.94 U9#9.7 ; v1(243.5,65.92) 243.22,65.92 C1#7.2 ; U5#7.1 183.4,23.85 183.4,22.85 184.01,22.24 C39#7.1 ; U9#8.5 240.4,74 v1(240.5,73.9) ; v1(237.9,73.9) 237.87,73.94 U9#8.7 ; U10#8.5 246,74.61 v1(245.3,73.9) ; v1(243.5,73.9) 243.46,73.94 243.46,75.27 ; v1(73.5,259.92) 73.22,259.92 C1.2 ; v1(67.9,267.9) 67.86,267.94 U9.7 ; v1(75.3,267.9) 76,268.61 U10.5 ; v1(70.5,267.9) 70.41,268 U9.5 ; v1(73.5,267.9) 73.47,267.94 U10.7 ; U5.1 13.4,217.85 13.4,216.85 14.01,216.24 C39.1
  Bottom w0.305: U3#2.6 123.97,284.93 ; v1(119.99,283.85) 119.99,284.23 120.06,284.3 120.06,284.86 ; v1(119.86,286.14) 119.94,286.14 120.06,286.02 120.06,284.86 ; v1(118.72,283.73) 118.97,283.98 U3#2.2 119.99,284.93 120.06,284.86 ; 205.06,284.86 204.99,284.93 U3#3.2 203.97,283.98 v1(203.72,283.73) ; 205.06,284.86 205.06,286.02 204.94,286.14 v1(204.86,286.14) ; 205.06,284.86 205.06,284.3 204.99,284.23 v1(204.99,283.85) ; U3#3.6 208.97,284.93 ; 205.06,187.86 205.06,187.3 204.99,187.23 v1(204.99,186.85) ; 205.06,187.86 205.06,189.02 204.94,189.14 v1(204.86,189.14) ; 205.06,187.86 204.99,187.93 U3#5.2 203.97,186.98 v1(203.72,186.73) ; U3#5.6 208.97,187.93 ; U3#4.6 38.97,187.93 ; v1(34.99,186.85) 34.99,187.23 35.06,187.3 35.06,187.86 ; v1(34.86,189.14) 34.94,189.14 35.06,189.02 35.06,187.86 ; v1(33.72,186.73) 33.97,186.98 U3#4.2 34.99,187.93 35.06,187.86 ; 120.06,187.86 119.99,187.93 U3#6.2 118.97,186.98 v1(118.72,186.73) ; 120.06,187.86 120.06,189.02 119.94,189.14 v1(119.86,189.14) ; 120.06,187.86 120.06,187.3 119.99,187.23 v1(119.99,186.85) ; U3#6.6 123.97,187.93 ; 205.06,90.86 205.06,90.3 204.99,90.23 v1(204.99,89.85) ; 205.06,90.86 205.06,92.02 204.94,92.14 v1(204.86,92.14) ; 205.06,90.86 204.99,90.93 U3#7.2 203.97,89.98 v1(203.72,89.73) ; U3#8.6 38.97,90.93 ; v1(33.72,89.73) 33.97,89.98 U3#8.2 34.99,90.93 35.06,90.86 ; 35.06,90.86 35.06,92.02 34.94,92.14 v1(34.86,92.14) ; 35.06,90.86 35.06,90.3 34.99,90.23 v1(34.99,89.85) ; U3#9.6 123.97,90.93 ; v1(119.86,92.14) 119.94,92.14 120.06,92.02 120.06,90.86 ; 120.06,90.86 119.99,90.93 U3#9.2 118.97,89.98 v1(118.72,89.73) ; 120.06,90.86 120.06,90.3 119.99,90.23 v1(119.99,89.85) ; U3#7.6 208.97,90.93 ; v1(34.99,283.85) 34.99,284.23 35.06,284.3 35.06,284.86 ; U3.6 38.97,284.93 ; 35.06,284.86 34.99,284.93 U3.2 33.97,283.98 v1(33.72,283.73) ; 35.06,284.86 35.06,286.02 34.94,286.14 v1(34.86,286.14)
  Bottom w0.55: NT3#2.1 131.7,242.1 134.21,239.59 v1(134.21,238.47) ; NT3#3.1 216.7,242.1 219.21,239.59 v1(219.21,238.47) ; v1(219.21,141.47) 219.21,142.59 216.7,145.1 NT3#4.1 ; NT3#6.1 46.7,145.1 49.21,142.59 v1(49.21,141.47) ; NT3#5.1 131.7,145.1 134.21,142.59 v1(134.21,141.47) ; v1(49.21,44.47) 49.21,45.59 46.7,48.1 NT3#9.1 ; v1(134.21,44.47) 134.21,45.59 131.7,48.1 NT3#8.1 ; v1(219.21,44.47) 219.21,45.59 216.7,48.1 NT3#7.1 ; v1(49.21,238.47) 49.21,239.59 46.7,242.1 NT3.1